# Allegro board pc051b_toplevel_177.brd (continued)
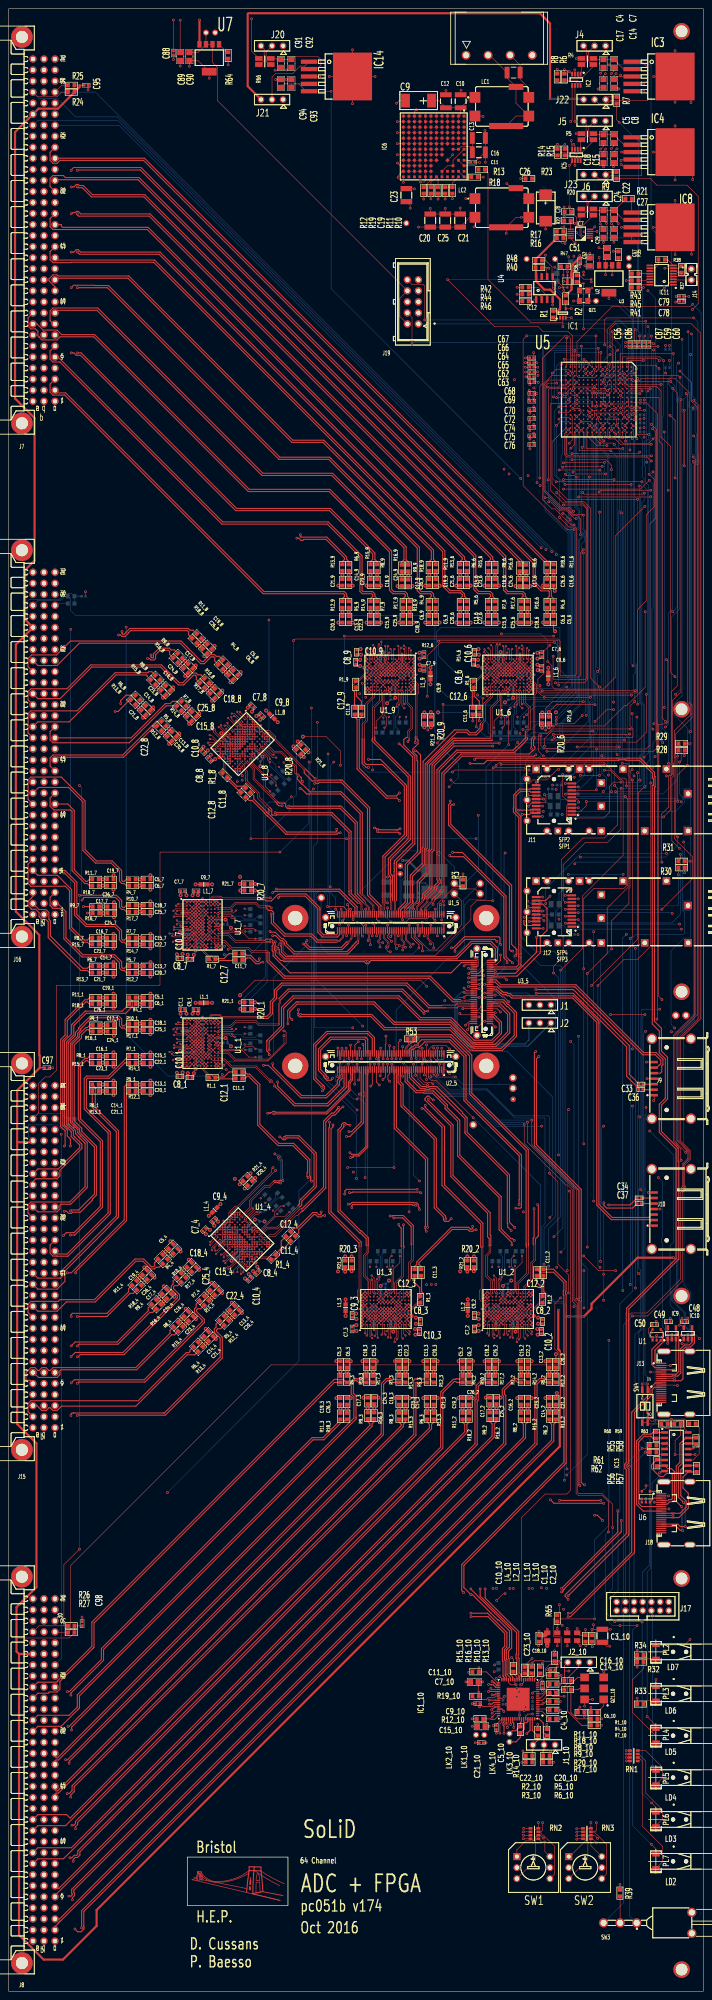
[diagram p0: board, top side]
## Routing (per net, layer and track width the routed paths; a pad name or vN(x,y) marks a point on that pad's centre or on a via; arc(x,y) is an arc through that point) (continued)
ANA_IN_P<13>: length 102.8
  TOP w0.25: R7_9.1 84.85,320.48 84.35,320.98 84.35,321.54 83.81,322.08 81.65,322.08 81.4,322.33 81.4,330.31 73.61,338.1 49.31,338.1 11.37,376.04 J7.C5
ANA_IN_P<14>: length 92.4
  TOP w0.25: R6_9.1 78.35,328.98 77.85,329.48 77.85,330.04 73.29,334.6 67.31,334.6 67.18,334.73 v1(67.18,335.18)
  L3 w0.25: v1(67.18,335.18) 37.22,335.18 9.55,362.85 9.55,365.39 9.54,365.41 9.54,366.37 8.85,367.05 7.35,367.05 5.98,368.42 J7.A2
ANA_IN_P<15>: length 88.7
  TOP w0.25: R5_9.1 78.35,320.48 77.85,320.98 77.85,321.54 77.31,322.08 58.82,322.08 13.12,367.79 10.92,367.79 10.67,368.04 J7.C2
ANA_IN_P<16>: length 53.1
  TOP w0.25: R3_8.1 48.53,307.17 47.82,307.17 47.42,307.57 46.43,307.57 44.86,306 44.4,306 39.7,310.7 14.24,310.7 11.04,307.5 5.29,307.5 4.46,306.67 4.46,304.8 J16.A23
ANA_IN_P<17>: length 41.5
  TOP w0.25: v1(26.11,312.91) 26.11,312.45 26.28,312.27 26.64,312.27 27.05,312.68 27.05,312.75 27.87,313.58 41.41,313.58 41.81,313.18 42.52,313.18 R11_8.1
  L3 w0.25: v1(26.11,312.91) 16.67,312.91 11.1,307.33 10.2,307.33 9.54,306.67 9.54,304.8 J16.C23
ANA_IN_P<18>: length 49.8
  TOP w0.25: R10_8.1 44.28,302.93 43.58,302.93 43.18,303.33 42.33,303.33 40.1,301.1 39.31,301.1 35.21,305.2 18.89,305.2 13.41,299.71 5.12,299.71 4.46,299.05 4.46,297.18 J16.A20
ANA_IN_P<19>: length 38.8
  TOP w0.25: R9_8.1 38.13,308.66 37.42,308.66 37.03,309.05 34.65,309.05 33.34,307.75 33.34,306.9 33.29,306.85 32.96,306.85 32.78,307.03 v1(32.78,307.48)
  L3 w0.25: v1(32.78,307.48) 18.86,307.48 11.1,299.71 10.2,299.71 9.54,299.05 9.54,297.18 J16.C20
ANA_IN_P<20>: length 39.7
  TOP w0.25: J16.A17 4.46,289.56 4.46,293.97 5.12,294.63 15.77,294.63 24.53,303.4 32.03,303.4 32.26,303.64 32.97,303.64 R8_8.1
ANA_IN_P<21>: length 32.6
  TOP w0.25: J16.C17 28.21,288.42 36.09,296.3 37.2,296.3 37.73,296.83 R7_8.1
ANA_IN_P<22>: length 34.6
  TOP w0.25: R6_8.1 27.04,298.24 25.8,297 v1(25.8,296.3)
  L3 w0.25: J16.A14 5.59,281.57 5.84,281.82 5.84,282.09 5.95,282.2 11.51,282.2 12.5,283.2 16.9,283.2 25.93,292.23 25.93,295.1 25.79,295.25 25.5,295.46 25.5,295.88 v1(25.8,296.3)
ANA_IN_P<23>: length 32.6
  TOP w0.25: J16.C14 9.54,281.94 9.54,283.81 10.2,284.48 26.27,284.48 34.03,292.23 R5_8.1
ANA_IN_P<24>: length 47.6
  TOP w0.25: J16.A11 4.46,274.31 4.46,278.73 5.12,279.4 12.11,279.4 17.6,273.91 17.6,262.71 20.21,260.1 23.82,260.1 26.02,257.91 26.02,255.65 26.27,255.4 26.62,255.4 27.12,255.9 R3_7.1
ANA_IN_P<25>: length 24.1
  TOP w0.25: R11_7.1 18.62,255.9 18.12,255.4 17.77,255.4 15.1,258.07 15.1,271.71 13.63,273.18 J16.C11
ANA_IN_P<26>: length 33.4
  TOP w0.25: R10_7.1 27.12,249.9 26.62,249.4 26.27,249.4 26.02,249.65 26.02,251.01 24.82,252.2 v1(16.3,252.2)
  L3 w0.25: v1(16.3,252.2) 16.3,256.7 11.12,261.88 7.66,261.88 6.72,262.82 6.72,264.43 J16.A8
ANA_IN_P<27>: length 23.5
  TOP w0.25: v1(17.2,249.6) R9_7.1
  L3 w0.25: J16.C8 10.67,266.33 10.92,266.58 11.27,266.58 15.8,262.05 15.8,260.99 17.6,259.19 17.6,249.85 17.35,249.6 v1(17.2,249.6)
ANA_IN_P<28>: length 25.6
  TOP w0.25: R8_7.1 18.62,242.4 18.12,241.9 17.41,241.9 14.5,244.81 14.5,253.51 11.2,256.81 6.72,256.81 J16.A5
ANA_IN_P<29>: length 29.4
  TOP w0.25: R7_7.1 27.12,242.4 26.62,241.9 26.27,241.9 26,242.17 26,244.11 24.61,245.5 18.01,245.5 15.7,247.81 15.7,255.2 13.05,257.85 12.86,257.85 12.77,257.94 J16.C5
ANA_IN_P<30>: length 23
  TOP w0.25: J16.A2 7,248.91 8.6,248.91 9.27,248.25 9.27,246.65 9.6,246.31 9.6,242.85 17.05,235.4 18.12,235.4 18.62,235.9 R6_7.1
ANA_IN_P<31>: length 27.7
  TOP w0.25: J16.C2 11.29,250.32 13.2,248.41 13.2,242.41 17.11,238.5 24.41,238.5 26.02,236.89 26.02,235.65 26.27,235.4 26.62,235.4 27.12,235.9 R5_7.1
ANA_IN_P<32>: length 64
  TOP w0.25: J15.A23 5.59,186.33 6.22,186.97 11.14,186.97 11.8,187.63 11.8,188.9 16.86,193.95 16.86,194.94 15.2,196.59 14.91,196.89 14.91,198.01 13.34,199.58 13.34,218.44 15,220.1 15,222.2 15.2,222.4 17.84,225.04 26.95,225.04 28.45,226.54 28.45,227.95 R3_1.1
ANA_IN_P<33>: length 49.5
  TOP w0.25: R11_1.1 18.62,228.65 18.12,228.15 17.56,228.15 13,223.59 13,220.05 11.96,219.01 11.96,199.01 13,197.97 13,194.68 v1(12.82,194.5)
  L3 w0.25: J15.C23 9.54,186.69 9.54,188.57 10.2,189.24 10.87,189.24 12.82,191.18 v1(12.82,194.5)
ANA_IN_P<34>: length 72.3
  TOP w0.25: R10_1.1 27.12,222.65 26.62,222.15 26.27,222.15 26.02,222.4 26.02,223.76 25.27,224.51 18.92,224.51 16.1,221.69 16.1,221.37 15.38,220.65 15.38,219.94 13.72,218.28 13.72,199.74 15.41,198.04 15.41,197.34 16.1,196.65 16.1,196.6 16.22,196.48 17.6,195.1 17.6,185.15 14.06,181.62 5.12,181.62 4.46,180.95 4.46,179.07 J15.A20
ANA_IN_P<35>: length 55
  TOP w0.25: v1(14.2,179.56) 14.28,179.56 14.5,179.78 16.08,179.78 19.75,183.45 19.75,194.24 16.32,197.67 16.32,198.38 14.6,200.1 14.6,217.92 16.26,219.58 16.26,220.28 17.74,221.77 18.14,221.77 18.72,222.35 R9_1.1
  L3 w0.25: J15.C20 12.54,177.94 14.16,179.56 v1(14.2,179.56)
ANA_IN_P<36>: length 61.9
  TOP w0.25: v1(12.6,173.9) 13.26,174.56 15.05,174.56 21.1,180.61 21.1,195.49 16.05,200.54 16.05,213.14 17.56,214.65 18.12,214.65 18.62,215.15 R8_1.1
  L3 w0.25: J15.A17 4.46,171.46 4.46,173.33 5.12,174 12.51,174 v1(12.6,173.9)
ANA_IN_P<37>: length 62.1
  TOP w0.25: J15.C17 11.34,169.65 13.45,169.65 22.9,179.1 22.9,197.5 17.4,203 17.4,210.06 17.94,210.6 23,210.6 27.55,215.15 R7_1.1
ANA_IN_P<38>: length 61.5
  TOP w0.25: R6_1.1 19.95,207.95 19.95,203.36 25.3,198.01 25.3,178.19 25.01,177.9 23.5,176.39 23.5,176.3 12.94,165.74 12.94,163.37 11.14,161.56 6.72,161.56 J15.A14
ANA_IN_P<39>: length 61.1
  TOP w0.25: R5_1.1 27.12,208.65 26.62,208.15 26.62,177.52 14.43,165.33 v1(13.5,165.33)
  L3 w0.25: J15.C14 15.05,162.7 16.64,164.29 16.64,164.75 15.96,165.43 15.96,165.53 15.63,165.86 15.17,165.86 14.64,165.33 v1(13.5,165.33)
ANA_IN_P<40>: length 39.6
  TOP w0.25: R3_4.1 33.63,167.68 33.63,166.97 33.38,166.72 32.89,166.72 31.11,168.5 29.09,168.5 19.75,159.15 11.8,159.15 11.41,158.75 5.12,158.75 4.46,158.09 4.46,156.22 J15.A11
ANA_IN_P<41>: length 21.6
  TOP w0.25: R11_4.1 27.62,161.67 27.62,160.96 22.66,156 14.65,156 14.4,155.75 v1(14.4,155.3)
  L3 w0.25: J15.C11 10.98,155.39 14.31,155.39 v1(14.4,155.3)
ANA_IN_P<42>: length 45.2
  TOP w0.25: R10_4.1 37.87,163.43 37.87,162.73 37.47,162.33 37.47,161.48 38.85,160.11 38.85,159.52 26.33,147 15.32,147 v1(14.36,146.04)
  L3 w0.25: v1(14.36,146.04) 14.32,146.08 6.97,146.08 J15.A8
ANA_IN_P<43>: length 27.1
  TOP w0.25: v1(14.4,148.5) 15.3,149.4 24.97,149.4 32.14,156.57 32.14,157.28 R9_4.1
  L3 w0.25: v1(14.4,148.5) 14.4,148.5 13.35,147.46 J15.C8
ANA_IN_P<44>: length 43.7
  TOP w0.25: R8_4.1 37.16,152.12 37.16,151.41 29.26,143.51 10.2,143.51 9.53,142.85 9.27,142.85 8.6,143.51 7.66,143.51 7,142.85 6.72,142.85 6.06,143.51 5.12,143.51 3.98,142.38 3.98,140.65 4.03,140.6 4.88,140.6 5.13,140.35 5.13,139.98 5.27,139.84 J15.A5
ANA_IN_P<45>: length 45.9
  TOP w0.25: v1(14.4,140) 15.1,140.7 31.19,140.7 44.57,154.07 44.57,154.43 42.78,156.22 42.78,157.03 43.17,157.42 43.17,158.13 R7_4.1
  L3 w0.25: v1(14.4,140) 10.83,140 J15.C5
ANA_IN_P<46>: length 47.2
  TOP w0.25: R6_4.1 41.76,147.52 41.76,147.21 41.51,146.96 40.91,146.96 29.84,135.9 5.12,135.9 4.46,135.23 4.46,133.35 J15.A2
ANA_IN_P<47>: length 53.3
  TOP w0.25: v1(14.33,132.49) 14.33,132.8 14.58,133.05 14.95,133.05 14.97,133.07 35.66,133.07 35.86,133.07 48.7,145.91 48.7,150.29 47.37,151.62 47.37,152.43 47.77,152.83 47.77,153.53 R5_4.1
  L3 w0.25: J15.C2 14.06,132.22 v1(14.33,132.49)
ANA_IN_P<48>: length 105.2
  TOP w0.25: J8.A23 6.72,68.59 9.1,68.59 9.37,68.86 11.14,68.86 11.8,69.53 11.8,71.31 19.36,78.86 19.65,79.15 19.65,84.74 75.01,140.1 R3_3.1
ANA_IN_P<49>: length 93.9
  TOP w0.25: R11_3.1 76.4,131.41 72.39,127.4 70.31,127.4 69.9,127.4 21.35,78.85 21.35,76.35 13.98,68.98 v1(13.52,68.98)
  L3 w0.25: J8.C23 12.19,68.98 v1(13.52,68.98)
ANA_IN_P<50>: length 117.9
  TOP w0.25: R10_3.1 80.6,140.1 80.3,140.4 80.06,140.47 79.98,140.55 79.71,140.55 79.4,140.24 79.4,137.61 80.01,137 80.01,132.11 80.01,132.11 80.01,131.69 16.3,67.98 16.3,65.19 16.01,64.9 12.08,60.98 6.72,60.98 J8.A20
ANA_IN_P<51>: length 103.4
  TOP w0.25: R9_3.1 82.7,131.07 83.2,130.57 83.2,130.22 13.91,60.93 v1(13.67,60.93)
  L3 w0.25: v1(13.67,60.93) 11.76,60.93 J8.C20
ANA_IN_P<52>: length 118.8
  TOP w0.25: R8_3.1 89.9,130.97 90.4,130.47 90.4,130.12 13.57,53.29 v1(13.11,53.29)
  L3 w0.25: J8.A17 6.72,53.35 11.74,53.35 11.8,53.29 v1(13.11,53.29)
ANA_IN_P<53>: length 123.2
  TOP w0.25: J8.C17 10.67,52.99 10.92,53.24 11.48,53.24 86.3,128.06 86.3,136.04 86.36,136.1 86.36,139.66 87.2,140.5 87.55,140.5 87.65,140.4 87.8,140.4 88.1,140.1 R7_3.1
ANA_IN_P<54>: length 129.6
  TOP w0.25: v1(13.47,45.5) 13.93,45.5 14.6,46.17 14.6,47.3 96.9,129.6 96.9,130.47 96.4,130.97 R6_3.1
  L3 w0.25: v1(13.47,45.5) 11.8,45.5 11.57,45.73 6.72,45.73 J8.A14
ANA_IN_P<55>: length 132.8
  TOP w0.25: R5_3.1 93.85,140.1 93.8,140.05 93.8,127.94 11.48,45.62 10.92,45.62 10.67,45.37 J8.C14
ANA_IN_P<56>: length 149.3
  TOP w0.25: R3_2.1 103.2,140.1 102.98,140.32 102.62,140.32 100.01,137.71 100.01,136 100,135.99 100,125 13.12,38.12 6.72,38.12 J8.A11
ANA_IN_P<57>: length 135.7
  TOP w0.25: v1(14.57,38.23) 15.03,38.23 15.38,38.58 15.38,39.08 105.05,128.75 105.05,130.47 104.55,130.97 R11_2.1
  L3 w0.25: v1(14.57,38.23) 11.92,38.23 J8.C11
ANA_IN_P<58>: length 158.5
  TOP w0.25: J8.A8 6.72,30.5 12.62,30.5 107.91,125.78 107.91,135.75 108.16,136 108.16,139.16 109,140 110.45,140 R10_2.1
ANA_IN_P<59>: length 146
  TOP w0.25: R9_2.1 110.85,131.07 111.35,130.57 111.35,127.75 15.9,32.3 15.9,31.55 15.65,31.3 15.1,31.3 14.53,30.73 v1(14.07,30.73)
  L3 w0.25: J8.C8 12.04,30.73 v1(14.07,30.73)
ANA_IN_P<60>: length 163
  TOP w0.25: R8_2.1 118.05,130.97 118.55,130.47 118.55,127.51 14.5,23.46 14.5,22.5 14.68,22.32 14.68,22.25 14.33,21.9 v1(13.87,21.9)
  L3 w0.25: v1(13.87,21.9) 12.43,21.9 11.14,20.61 6.72,20.61 J8.A5
ANA_IN_P<61>: length 164.6
  TOP w0.25: J8.C5 10.67,22.07 114.51,125.91 114.51,137.1 114.2,137.41 114.2,138.3 116.42,140.52 116.78,140.52 117.2,140.1 R7_2.1
ANA_IN_P<62>: length 174.4
  TOP w0.25: v1(16.8,14.6) 16.8,18.56 125.05,126.81 125.05,130.47 124.55,130.97 R6_2.1
  L3 w0.25: v1(16.8,14.6) 16.31,14.6 15.49,13.78 15.03,13.78 14.97,13.84 13.14,13.84 12.53,13.23 11.38,13.23 11.14,12.98 6.72,12.98 J8.A2
ANA_IN_P<63>: length 175
  TOP w0.25: J8.C2 10.67,14.89 11.41,15.63 11.56,15.78 11.56,15.91 11.81,16.16 11.94,16.16 121.7,125.92 121.7,139.7 122.5,140.5 122.85,140.5 122.95,140.4 123.1,140.4 123.4,140.1 R5_2.1
BUS_SELECT<0>: length 209.4
  TOP w0.13: U1_5.86 79.33,247.72 v1(79.33,246.62) ; v1(150.85,375.2) 149.98,376.07 141.45,376.07 141.4,376.02 U5.C1 ; v1(151.99,282.56) 152.29,282.56 152.6,282.25 152.6,280.25 151.99,279.64 151.99,272.49 150.3,270.8 150.3,260 v1(150.47,259.82)
  L4 w0.13: v1(130.4,259.45) 109.13,259.45 105.81,256.13 105.81,252.81 100.36,247.36 80.08,247.36 v1(79.33,246.62)
  BOTTOM w0.13: v1(130.4,259.45) 130.77,259.82 v1(150.47,259.82) ; v1(151.99,282.56) 151.99,289.27 150.52,290.73 150.52,362.19 150.79,362.46 150.79,375.14 v1(150.85,375.2)
BUS_SELECT<1>: length 196.7
  TOP w0.13: v1(134.25,231.46) 144.84,242.05 v1(144.84,280.4) ; v1(149.86,375.21) 149.3,375.77 142.45,375.77 142.4,375.72 U5.B1 ; U3_5.52 104.2,224.7 v1(103.9,225)
  L4 w0.13: v1(144.84,280.4) 145.2,280.4 v1(148.9,284.1) ; v1(103.9,225) 110.91,225 117.37,231.46 v1(134.25,231.46)
  BOTTOM w0.13: v1(148.9,284.1) 149.41,284.62 149.41,291.98 149.2,292.2 149.2,374.55 v1(149.86,375.21)
BUS_SELECT<2>: length 199.4
  TOP w0.13: v1(149.8,373.4) 149.03,374.17 144.22,374.17 143.86,373.81 143.86,373.21 U5.A2 ; U3_5.54 v1(108.34,224.2)
  L4 w0.13: v1(139.78,276.03) 139.78,224.33 139.65,224.2 v1(108.34,224.2)
  BOTTOM w0.13: v1(139.78,276.03) 149.67,276.03 149.8,276.16 v1(149.8,373.4)
BUS_SELECT<3>: length 210.8
  TOP w0.13: U5.A3 154.27,371.75 v1(154.62,371.4) ; v1(77.83,242.92) 77.83,244.01 U1_5.91
  L4 w0.13: v1(123.7,250.3) 124.14,249.86 124.14,246.34 123.34,245.54 119.29,245.54 117.37,243.62 78.54,243.62 v1(77.83,242.92) ; v1(151.49,261.86) v1(151.49,279.68)
  BOTTOM w0.13: v1(123.7,250.3) 123.7,253.72 131.84,261.86 v1(151.49,261.86) ; v1(154.62,371.4) 154.62,367.09 154.09,366.56 154.09,365.94 154.46,365.57 154.46,318.01 152.61,316.16 152.61,279.68 152.6,279.68 v1(151.49,279.68)
BUS_SELECT<4>: length 183.2
  TOP w0.13: v1(138.85,365.25) 141.9,365.25 U5.B9 ; v1(75.3,249) 75.75,248.55 U1_5.100 ; v1(123.71,290.21) 123.71,295.21 125.24,296.75 v1(132.37,296.75)
  L4 w0.13: v1(132.37,330.97) 132.39,330.97 133.55,332.13 133.55,340.43 133.36,340.62 133.36,345.91 133.01,346.26 133.01,352.76 133.24,352.99 133.24,364.45 134.54,365.75 138.35,365.75 v1(138.85,365.25) ; v1(123.71,290.21) 123.66,290.17 121.72,290.17 116.27,284.72 v1(73.56,284.72)
  BOTTOM w0.13: v1(73.56,284.72) 73.56,253.31 75.3,251.57 v1(75.3,249) ; v1(132.37,330.97) v1(132.37,296.75)
BUSY_3V3: length 130.2
  TOP w0.13: U2_5.28 93.75,214.77 v1(93.9,214.62) ; U1.5 147.99,151.98 v1(147.99,151.55)
  L4 w0.13: v1(94.6,186.45) 150.71,186.45 151.26,185.9 155.45,185.9 156.12,185.23 156.12,172.92 152.5,169.3 152.5,156.05 v1(147.99,151.55)
  BOTTOM w0.13: v1(93.9,214.62) 93.9,211.6 93.25,210.96 93.25,187.8 v1(94.6,186.45)
BUSY_OUT_N: length 8.9
  TOP w0.25: U1.3 150.19,149.74 148.15,147.7 148.15,144.2 148.74,143.61 148.78,143.61 148.88,143.5 J13.3
BUSY_OUT_P: length 10.1
  TOP w0.25: J13.1 149.28,144.5 148.85,144.93 148.85,147.53 150.7,149.38 150.7,150.23 150.55,150.38 150.54,150.38 150.49,150.43 150.49,150.68 150.65,150.84 150.65,151.83 U1.4
CLK9_N_10: length 12.7
  TOP w0.25: LK3_10.1 116.01,59.96 116.81,59.96 117.8,60.95 R14_10.1 117.85,61.8 118.1,62.05 IC1_10.58 ; v1(119.35,59.3) 120.1,60.05 IC1_10.62
  L3 w0.25: LK3_10.1 v1(119.35,59.3)
CLK9_P_10: length 9.3
  TOP w0.25: 118.75,61.8 118.75,60.3 117.9,59.45 R14_10.2 117.85,58.4 116.85,57.4 LK4_10.1 ; 118.75,61.8 119.31,61.8 119.6,62.09 IC1_10.61 ; 118.75,61.8 118.75,61.94 118.6,62.09 IC1_10.59
CLK40_IN_N: length 94.8
  TOP w0.25: C20_10.2 v1(123.95,61.4) ; J13.12 148.75,139 148.21,138.46 148.21,137.26 144.15,133.19 144.15,100.94 129.41,86.2 v1(128.85,86.2)
  L3 w0.25: v1(128.85,86.2) 124.31,86.2 123.81,85.7 123.81,85.09 125.11,83.79 125.11,79.06 125,78.96 125,76.95 125.21,76.74 125.21,75.11 125.2,75.1 125.2,74.6 125.21,74.59 125.21,74.5 125.25,74.46 125.25,73.54 125.21,73.5 125.21,62.66 v1(123.95,61.4)
CLK40_IN_P: length 97.2
  TOP w0.25: C22_10.2 v1(121.85,61.4) ; v1(128.85,87) 129.5,87 143.5,101 143.5,133.25 147.71,137.46 147.71,138.76 148.95,140 J13.10
  L3 w0.25: v1(128.85,87) 124.4,87 123.31,85.9 123.31,84.88 124.61,83.58 124.61,79.27 124.5,79.16 124.5,76.74 124.71,76.53 124.71,75.32 124.7,75.31 124.7,74.39 124.71,74.38 124.71,74.29 124.75,74.25 124.75,73.75 124.71,73.71 124.71,63.16 124.05,62.5 122.95,62.5 v1(121.85,61.4)
CLK+_1: length 10.3
  TOP w0.13: 46.27,210.42 44.25,212.44 U1_1.P5 ; 46.27,210.42 R1_1.2 ; 46.27,210.42 46.9,209.8 46.9,209.64 47.04,209.5 48.16,209.5 48.3,209.64
  TOP w0.25: C11_1.2 51.59,210.05 51.49,209.95 48.61,209.95 48.3,209.64
CLK+_2: length 10.4
  TOP w0.13: 122.78,158.62 R1_2.2 ; 122.78,158.62 123.4,159.25 123.62,159.25 123.75,159.38 123.75,160.46 123.56,160.66 ; 122.78,158.62 120.76,156.6 U1_2.P5
  TOP w0.25: C11_2.2 123.15,163.94 123.25,163.84 123.25,160.96 123.56,160.66
CLK+_3: length 10.3
  TOP w0.13: U1_3.P5 92.61,156.6 94.63,158.62 ; 94.63,158.62 95.25,159.25 95.41,159.25 95.56,159.39 95.56,160.51 95.41,160.66 ; 94.63,158.62 R1_3.2
  TOP w0.25: C11_3.2 95,163.94 95.1,163.84 95.1,160.96 95.41,160.66
CLK+_4: length 10.3
  TOP w0.13: 62.4,169.57 62.4,169.36 61.61,168.57 61.4,168.57 61.29,168.68 60.41,168.68 ; 60.41,168.68 60.41,168.6 R1_4.2 ; 60.41,168.68 57.55,168.68 U1_4.P5
  TOP w0.25: C11_4.2 64.44,172.18 64.44,172.04 62.4,170 62.4,169.57
CLK+_6: length 10.3
  TOP w0.13: 106.49,299.3 106.34,299.44 106.34,300.56 106.49,300.7 106.65,300.7 107.27,301.33 ; 107.27,301.33 109.29,303.35 U1_6.P5 ; 107.27,301.33 R1_6.2
  TOP w0.25: 106.49,299.3 106.8,298.99 106.8,296.11 106.9,296 C11_6.2
CLK+_7: length 10.3
  TOP w0.13: 46.27,237.67 R1_7.2 ; 46.27,237.67 44.25,239.69 U1_7.P5 ; 46.27,237.67 46.9,237.05 46.9,236.89 47.04,236.75 48.16,236.75 48.3,236.89
  TOP w0.25: C11_7.2 51.59,237.3 51.49,237.2 48.61,237.2 48.3,236.89
CLK+_8: length 10.5
  TOP w0.13: 50.42,278.4 50.21,278.4 49.35,279.26 49.35,280.1 49.55,280.3 49.55,280.48 49.53,280.5 ; 49.53,280.5 49.4,280.5 R1_8.2 ; 49.53,280.5 49.53,280.68 49.52,280.7 49.52,282.91 49.53,282.93 49.53,283.25 U1_8.P5
  TOP w0.25: C11_8.2 53.03,276.36 52.89,276.36 52.39,276.87 52.37,276.87 50.83,278.4 50.42,278.4
CLK+_9: length 10.3
  TOP w0.13: 80.12,301.33 82.14,303.35 U1_9.P5 ; 80.12,301.33 79.5,300.7 79.34,300.7 79.19,300.56 79.19,299.44 79.34,299.3 ; 80.12,301.33 R1_9.2
  TOP w0.25: 79.34,299.3 79.65,298.99 79.65,296.11 79.75,296 C11_9.2
CLK-_1: length 9.7
  TOP w0.13: R1_1.1 47.45,210.25 47.28,210.42 47.11,210.42 46.95,210.58 46.95,210.75 46.88,210.82 46.77,210.82 46.65,210.94 46.17,210.94 44.79,212.32 44.79,212.51 44.99,212.71 44.99,212.89 U1_1.P6
  TOP w0.25: C12_1.2 50.75,211.55 49.57,210.37 48.13,210.37 48.01,210.25 R1_1.1
CLK-_2: length 9.7
  TOP w0.13: U1_2.P6 120.31,157.34 120.49,157.34 120.69,157.14 120.88,157.14 122.25,158.52 122.25,159 122.38,159.12 122.38,159.23 122.45,159.31 122.62,159.31 122.78,159.46 122.78,159.63 122.95,159.8 R1_2.1
  TOP w0.25: R1_2.1 122.95,160.36 122.83,160.48 122.83,161.92 121.65,163.1 C12_2.2
CLK-_3: length 9.7
  TOP w0.13: R1_3.1 94.8,159.8 94.63,159.63 94.63,159.46 94.47,159.31 94.31,159.31 94.23,159.23 94.23,159.12 94.11,159 94.11,158.52 92.73,157.14 92.54,157.14 92.34,157.34 92.16,157.34 U1_3.P6
  TOP w0.25: C12_3.2 93.5,163.1 94.68,161.92 94.68,160.48 94.8,160.36 R1_3.1
CLK-_4: length 9.7
  TOP w0.13: R1_4.1 61.37,169.39 61.12,169.39 61.01,169.28 60.78,169.28 60.67,169.39 60.56,169.39 60.49,169.32 60.31,169.32 59.97,168.98 58.02,168.98 57.89,169.11 57.89,169.39 57.76,169.52 U1_4.P6
  TOP w0.25: C12_4.2 62.78,172.65 62.78,170.98 61.76,169.96 61.76,169.79 R1_4.1
CLK-_6: length 9.7
  TOP w0.13: R1_6.1 107.1,300.15 107.27,300.32 107.27,300.49 107.43,300.64 107.59,300.64 107.67,300.72 107.67,300.83 107.8,300.95 107.8,301.43 109.17,302.81 109.36,302.81 109.56,302.61 109.74,302.61 U1_6.P6
  TOP w0.25: R1_6.1 107.1,299.59 107.22,299.47 107.22,298.03 108.4,296.85 C12_6.2
CLK-_7: length 9.7
  TOP w0.13: U1_7.P6 44.99,240.14 44.99,239.96 44.79,239.76 44.79,239.57 46.17,238.19 46.65,238.19 46.77,238.07 46.88,238.07 46.95,238 46.95,237.83 47.11,237.67 47.28,237.67 47.45,237.5 R1_7.1
  TOP w0.25: C12_7.2 50.75,238.8 49.57,237.62 48.13,237.62 48.01,237.5 R1_7.1
CLK-_8: length 9.7
  TOP w0.13: U1_8.P6 50.37,283.04 50.24,282.91 49.96,282.91 49.83,282.78 49.83,280.83 50.11,280.55 50.11,280.55 50.16,280.5 50.16,280.34 50.11,280.3 50.11,280.11 50.05,280.05 50.05,279.63 R1_8.1
  TOP w0.25: C12_8.2 54.22,277.3 52.55,277.3 50.81,279.04 50.64,279.04 R1_8.1
CLK-_9: length 9.7
  TOP w0.13: U1_9.P6 82.59,302.61 82.41,302.61 82.21,302.81 82.02,302.81 80.64,301.43 80.64,300.95 80.52,300.83 80.52,300.72 80.44,300.64 80.28,300.64 80.12,300.49 80.12,300.32 79.95,300.15 R1_9.1
  TOP w0.25: C12_9.2 81.25,296.85 80.07,298.03 80.07,299.47 79.95,299.59 R1_9.1
CLK_CPLD_TTL: length 34.3
  TOP w0.13: v1(130.85,370.25) 130.4,369.8 U5.P5 ; QZ1.3 LK16.1
  L4 w0.13: LK16.1 134.73,388.38 128.05,388.38 125.41,385.74 125.41,373 125.46,372.95 130.17,372.95 130.85,372.28 v1(130.85,370.25)
CLK_GEN_INTR_3V3*: length 28.4
  TOP w0.13: v1(126.85,88.95) 126.85,87.05 R65.1
  TOP w0.17: IC1_10.12 121,68.95 v1(120.65,68.6)
  L3 w0.17: v1(120.65,68.6) 122.43,70.38 122.43,78.43 122.8,78.8 122.8,83.28 122.35,83.73 122.35,86.5 124.8,88.95 v1(126.85,88.95)
CLK_GEN_LOL*: length 206.1
  TOP w0.13: v1(112.4,89.95) 113.95,91.5 v1(114.35,91.5) ; v1(90.95,213.6) 91.36,214.01 94.3,214.01 94.75,214.46 U2_5.24
  TOP w0.17: IC1_10.47 112.2,63.95 v1(111.35,63.1)
  L3 w0.13: v1(118.55,179.35) 124.2,179.35 133.28,170.28 133.28,111.92 114.35,93 v1(114.35,91.5)
  L3 w0.17: v1(112.4,89.95) 114.25,88.1 114.25,79 109.99,74.74 109.99,64.46 v1(111.35,63.1)
  L4 w0.13: v1(92.23,179.35) v1(118.55,179.35)
  BOTTOM w0.13: v1(92.23,179.35) 92.23,212.32 v1(90.95,213.6)
CLK_GEN_RST_3V3*: length 197.7
  TOP w0.13: v1(132.45,169.2) 135.82,165.83 v1(139.78,165.83) ; v1(96.27,214.04) 95.55,214.04 95.25,214.34 U2_5.22 ; 123.05,66.2 v1(123.05,66.25)
  TOP w0.17: IC1_10.6 122.75,65.95 123,66.2 123.25,66.2 123.75,66.7 R9_10.1
  L3 w0.13: v1(139.78,165.83) 139.78,99.88 v1(127.8,87.9) 124.7,87.9 122.9,86.1 122.9,84.75 123.4,84.25 123.4,77.1 123.65,76.85 123.65,66.85 v1(123.05,66.25) ; v1(124.65,178.05) 132.45,170.25 v1(132.45,169.2)
  BOTTOM w0.13: v1(96.27,214.04) 98.45,216.22 114.84,216.22 125.28,205.78 125.28,178.68 v1(124.65,178.05)
CLK_GEN_SCL_1V8: length 402.8
  TOP w0.13: v1(134.95,85.69) 125.56,85.69 125.43,85.56 125.43,81.8 125.53,81.7 126.97,81.7 127.27,81.4 127.27,75.8 126.67,75.2 124.55,75.2 123.65,74.3 123.65,72.7 ; U5.J3 135,371.35 131.2,371.35 130.85,371.7 130.85,376.66 130.9,376.71 130.9,379.57 139.03,387.7 157.05,387.7 v1(157.55,388.2)
  TOP w0.17: R11_10.1 123.45,72.7 121.85,71.1 IC1_10.16
  L4 w0.13: v1(159.1,150.2) 158.69,149.79 v1(138.25,149.79)
  BOTTOM w0.13: v1(138.25,149.79) 138.25,107.2 134.95,103.9 v1(134.95,85.69) ; v1(157.55,388.2) 159.49,386.26 159.49,223.79 155.5,219.8 155.5,194.23 156.47,193.26 156.47,192.84 156.35,192.72 156.35,191.35 155.55,190.55 155.55,185.27 155.7,185.13 155.7,184.71 155.55,184.57 155.55,162.46 157.13,160.88 157.13,159.12 156.9,158.89 156.9,152.4 v1(159.1,150.2)
CLK_GEN_SDA_1V8: length 371.8
  TOP w0.13: v1(129.15,184.15) 129.45,183.85 129.45,115.33 128.53,114.41 123.56,114.41 118.16,109.01 118.16,74.09 118.46,73.79 119.81,73.79 R10_10.1 ; v1(134.9,373.25) 134.9,372.25 U5.K3 ; v1(155.2,184.92) 155.2,185.26 155.2,185.26 155.2,190.4 156.47,191.67 156.47,193.26 156.18,193.55 156.12,193.55 155.99,193.68 155.99,193.74 153.95,195.78 153.95,220 158.73,224.78 158.73,364.42 157.3,365.84 157.3,370.12 v1(154.6,372.82)
  TOP w0.17: R10_10.1 120.45,73 120.6,72.85 IC1_10.18
  L4 w0.13: v1(129.15,184.15) 129.92,184.92 v1(155.2,184.92) ; v1(154.6,372.82) 154.57,372.85 142.5,372.85 v1(141.85,372.2) ; v1(134.38,374.91) v1(140.35,374.91)
  BOTTOM w0.13: v1(134.9,373.25) 134.38,373.77 v1(134.38,374.91) ; v1(140.35,374.91) 140.35,370.9 140.55,370.7 142.14,370.7 142.39,370.95 142.39,371.65 v1(141.85,372.2)
CLK_IN_AC_N_10: length 12.2
  TOP w0.17: 123.9,58.85 C20_10.1
  TOP w0.25: IC1_10.64 122.15,62.7 123.15,61.7 123.15,59.6 123.9,58.85 ; C20_10.1 123.31,58.21 J1_10.2 123.31,55.69 123.1,55.48 R5_10.1 123.05,54.15 123.05,52.75 R6_10.2
CLK_IN_AC_P_10: length 11.1
  TOP w0.25: R3_10.2 R2_10.1 120.6,55.52 120.77,55.69 J1_10.3 121.85,57.78 C22_10.1 121.8,58.85 120.6,60.05 IC1_10.63
CLK_N<0>: length 296.8
  TOP w0.25: C12_6.1 v1(108.4,292.35) ; v1(128.85,91) 142.75,104.9 142.75,105.09 142.85,105.19 142.85,120.15 142.39,120.61 142.39,121.07 142.75,121.44 142.75,155.82 142.85,155.92 142.85,157 154.25,168.4 154.25,168.41 154.35,168.51 154.35,190.96 154.21,191.11 154.21,194 150.36,197.85 150.36,203.91 151.75,205.3 151.75,214.95 150.36,216.34 150.36,221.59 148.75,223.2 148.75,225.71 148.72,225.74 148.72,227.34 148.75,227.37 148.75,277.07 148.8,277.12 148.84,277.12 148.89,277.17 148.89,279.46 148.84,279.51 148.8,279.51 148.75,279.56 148.75,280.5 145.5,283.75 142.53,283.75 142.53,283.75 140.14,283.75 140.14,283.75 123.73,283.75 123.66,283.68 122.62,283.68 122.55,283.75 107.65,283.75 v1(107.35,283.45) ; IC1_10.53 v1(115.6,61.4)
  L3 w0.25: v1(128.85,91) 125.45,91 121.25,86.8 120.96,86.51 120.96,83.53 120.79,83.36 120.79,82.24 120.96,82.07 120.96,80.57 120.83,80.45 120.83,80.36 120.76,80.29 120.62,80.15 120.62,78.97 120.96,78.63 120.96,77.69 121.15,77.5 121.15,71.1 119.55,69.5 119.55,67.45 119.26,67.16 119.26,67.15 115.6,63.49 v1(115.6,61.4) ; v1(107.35,283.45) 108.4,284.5 v1(108.4,292.35)
CLK_N<1>: length 294.4
  TOP w0.25: v1(111.25,64.8) 111.35,64.8 111.95,65.4 112.15,65.4 112.2,65.45 IC1_10.44 ; C12_9.1 81.25,293.17 80.75,292.67 80.75,281.46 87.16,275.05 89.3,275.05 v1(90,275.75) ; v1(116.75,238.25) 116.85,238.35 116.85,238.52 117.05,238.72 117.05,239.7 115.85,240.9 115.85,254.51 101.82,268.53 101.82,272.82 102.07,273.07 v1(102.53,273.07)
  L3 w0.25: v1(116.75,238.25) 116.75,237.85 117.45,237.15 138.9,237.15 140.85,235.2 140.85,214.86 141.21,214.5 141.21,170.56 138.71,168.06 138.71,150.11 138.81,150.02 138.81,149.56 138.71,149.46 138.71,108.46 123.1,92.85 v1(122.7,92.85) 122.95,92.6 122.95,92.1 118.73,87.88 118.73,78.39 118.32,77.98 118.32,75.47 118.26,75.41 118.26,73.83 118.25,73.82 118.25,73.3 116.57,71.62 116.42,71.62 115.78,70.98 115.78,70.83 115.25,70.3 115.25,65.72 114.75,65.22 113.77,65.22 113.35,64.8 v1(111.25,64.8) ; v1(90,275.75) 90.62,275.12 101.62,275.12 101.75,275 102.47,275 102.85,274.62 102.85,273.85 102.53,273.53 v1(102.53,273.07)
CLK_N<2>: length 306.5
  TOP w0.25: v1(114.82,236.66) 114.82,237.08 114.05,237.84 114.05,251.8 104.78,261.07 101.88,261.07 v1(101.6,261.35) ; v1(126.9,112.95) v1(136.4,112.95) ; v1(106.45,87) 110.3,87 114.75,82.55 114.75,79.19 114.22,78.66 114.22,77.9 114.22,77.9 114.22,76.29 114.36,76.15 114.36,72.8 114.45,72.71 114.45,72.62 114.6,72.47 IC1_10.30 ; C12_8.1 56.45,275.06 56.45,274.36 59.44,271.37 59.44,271.27 59.77,270.94 59.87,270.94 64.06,266.75 75.39,266.75 75.57,266.93 75.57,267.36 v1(75.55,267.38) ; v1(90.15,267.5) 89.89,267.5 89.59,267.2 89.24,267.2 89.16,267.27 85.32,267.27 85.13,267.46 84.74,267.46 84.5,267.7 v1(84.25,267.7)